# Altium PCB PCB_Project_Dangrangto.PcbDoc (part 1 of 2)
Units mm, origin at the board's own origin, x right, y up, seen from the top; angles counter-clockwise.
Board outline 121.2 x 86.2 mm, 2 copper layers (Top Layer, Bottom Layer); 180 components, 142 nets, 616 pads, 165 vias.
Unrouted connection lines stored in the file: 1.
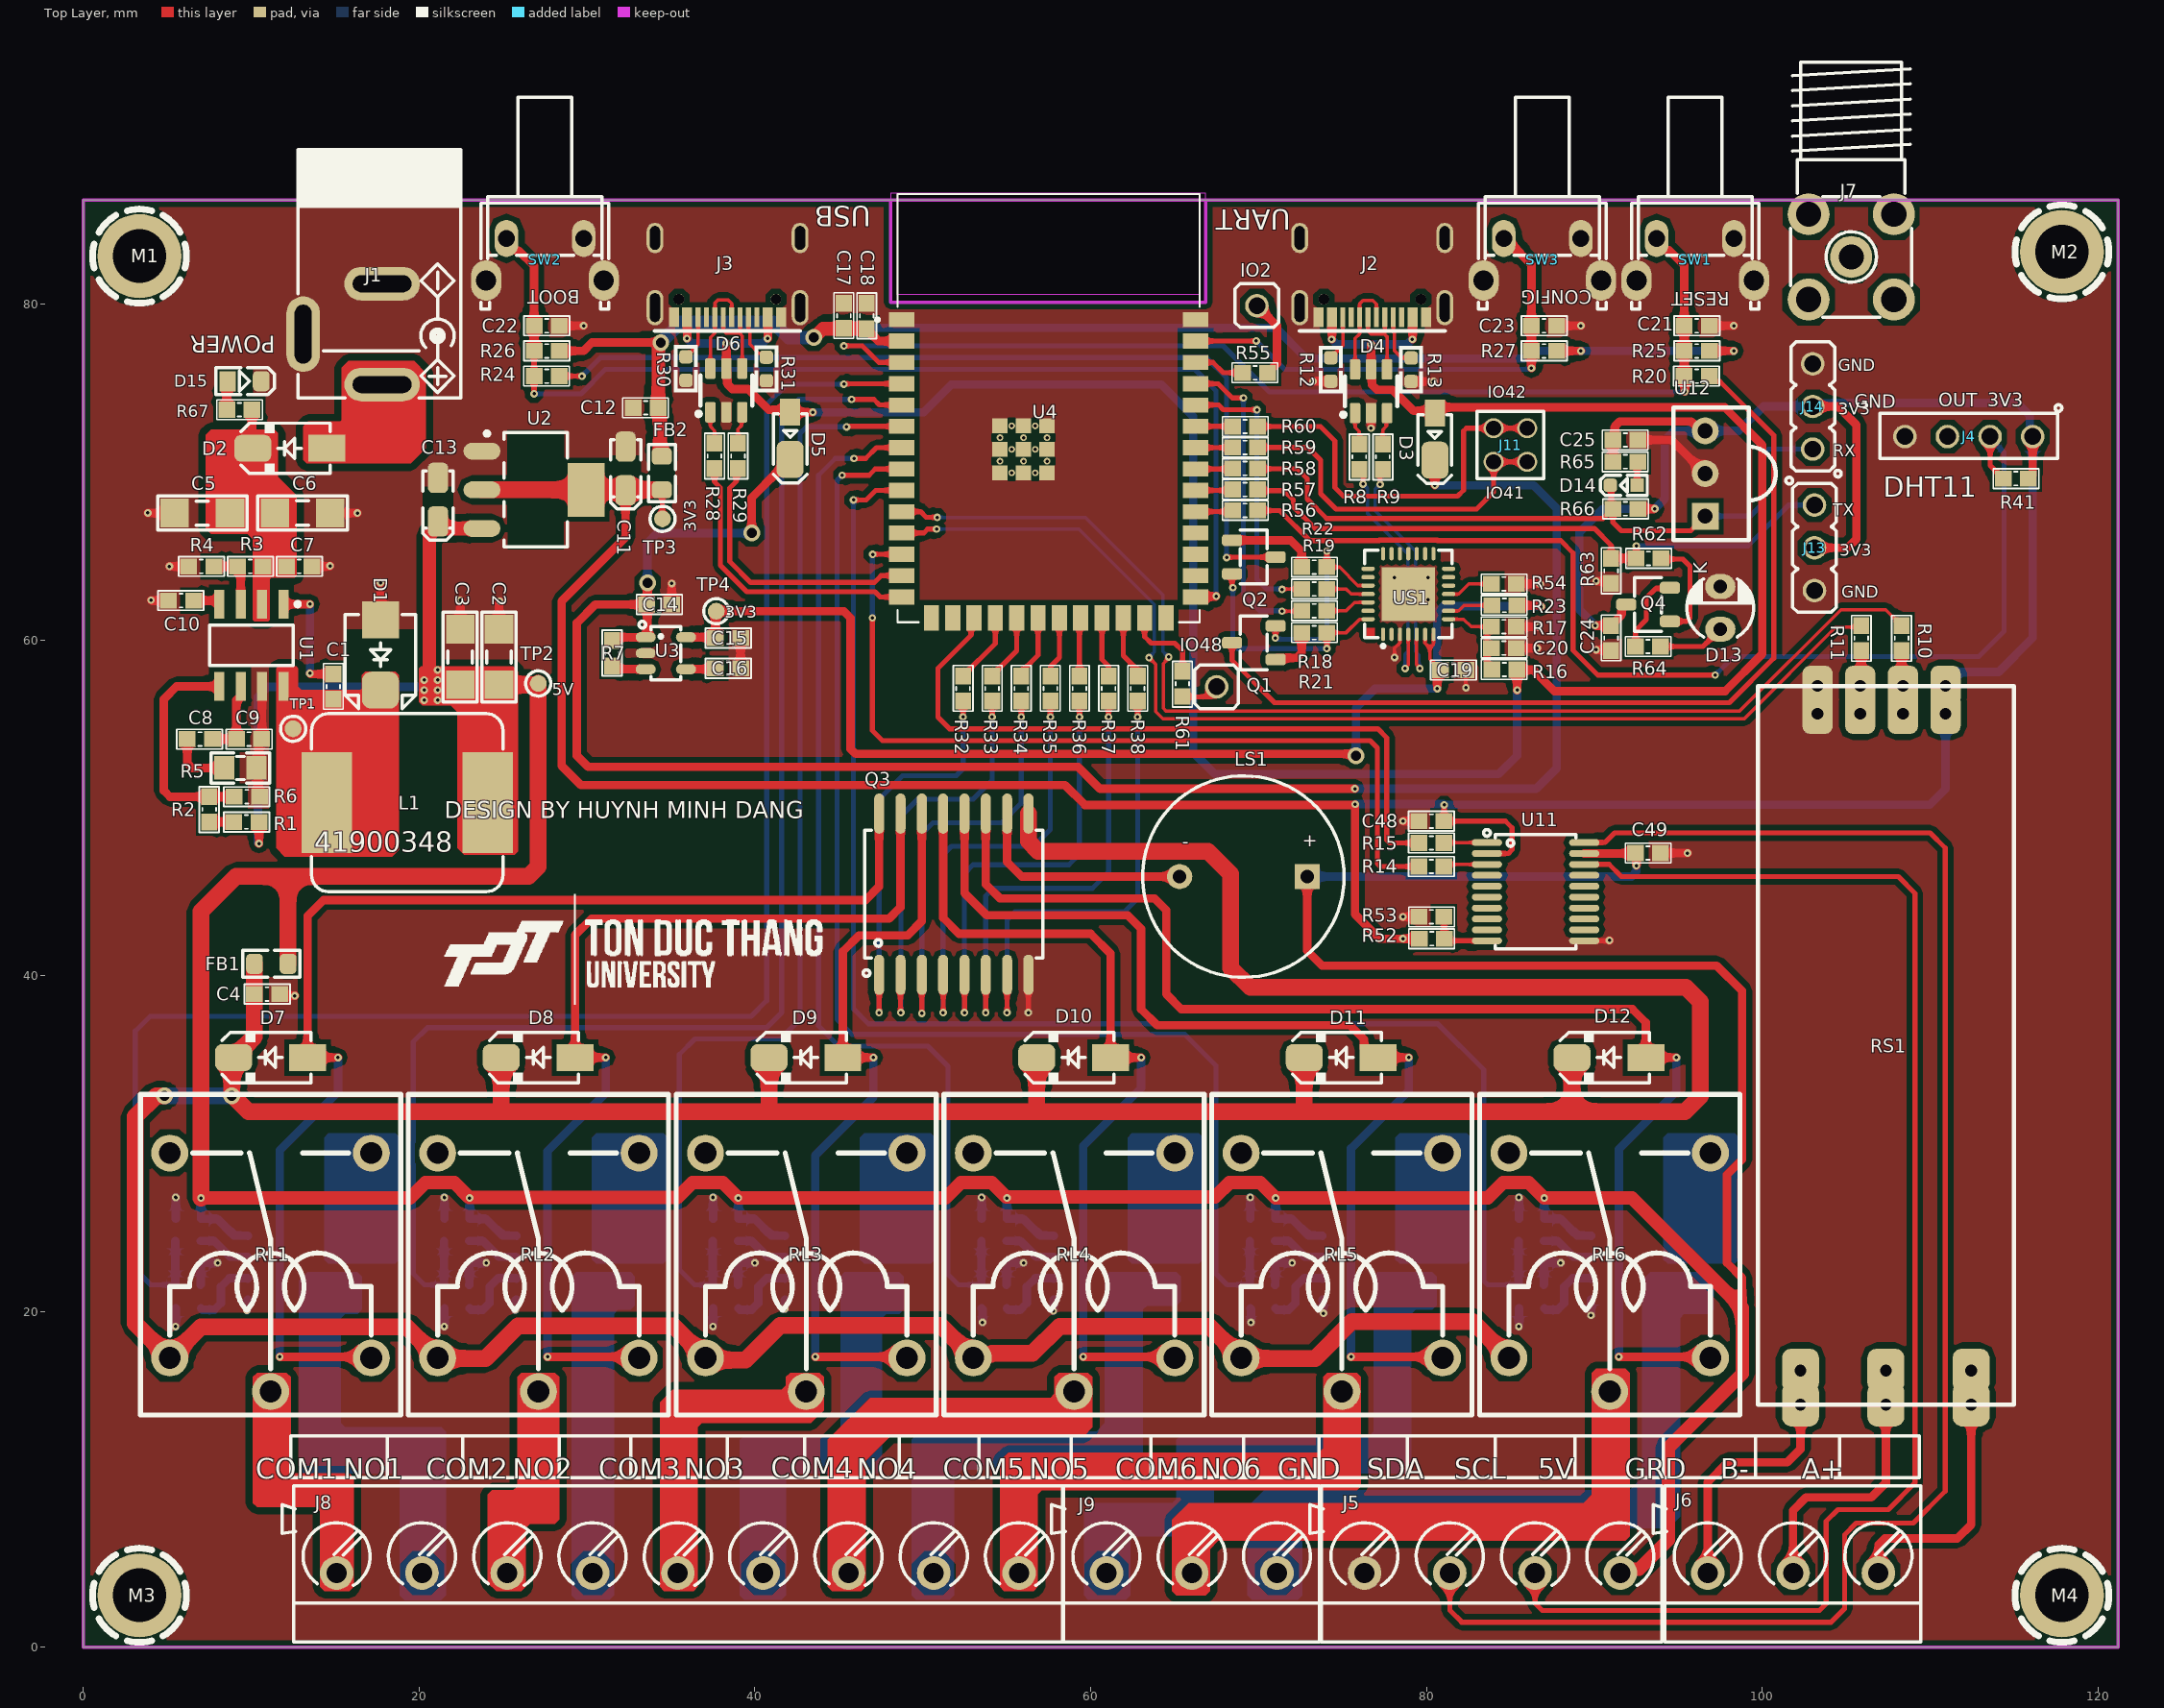
[diagram p0: Top Layer view]
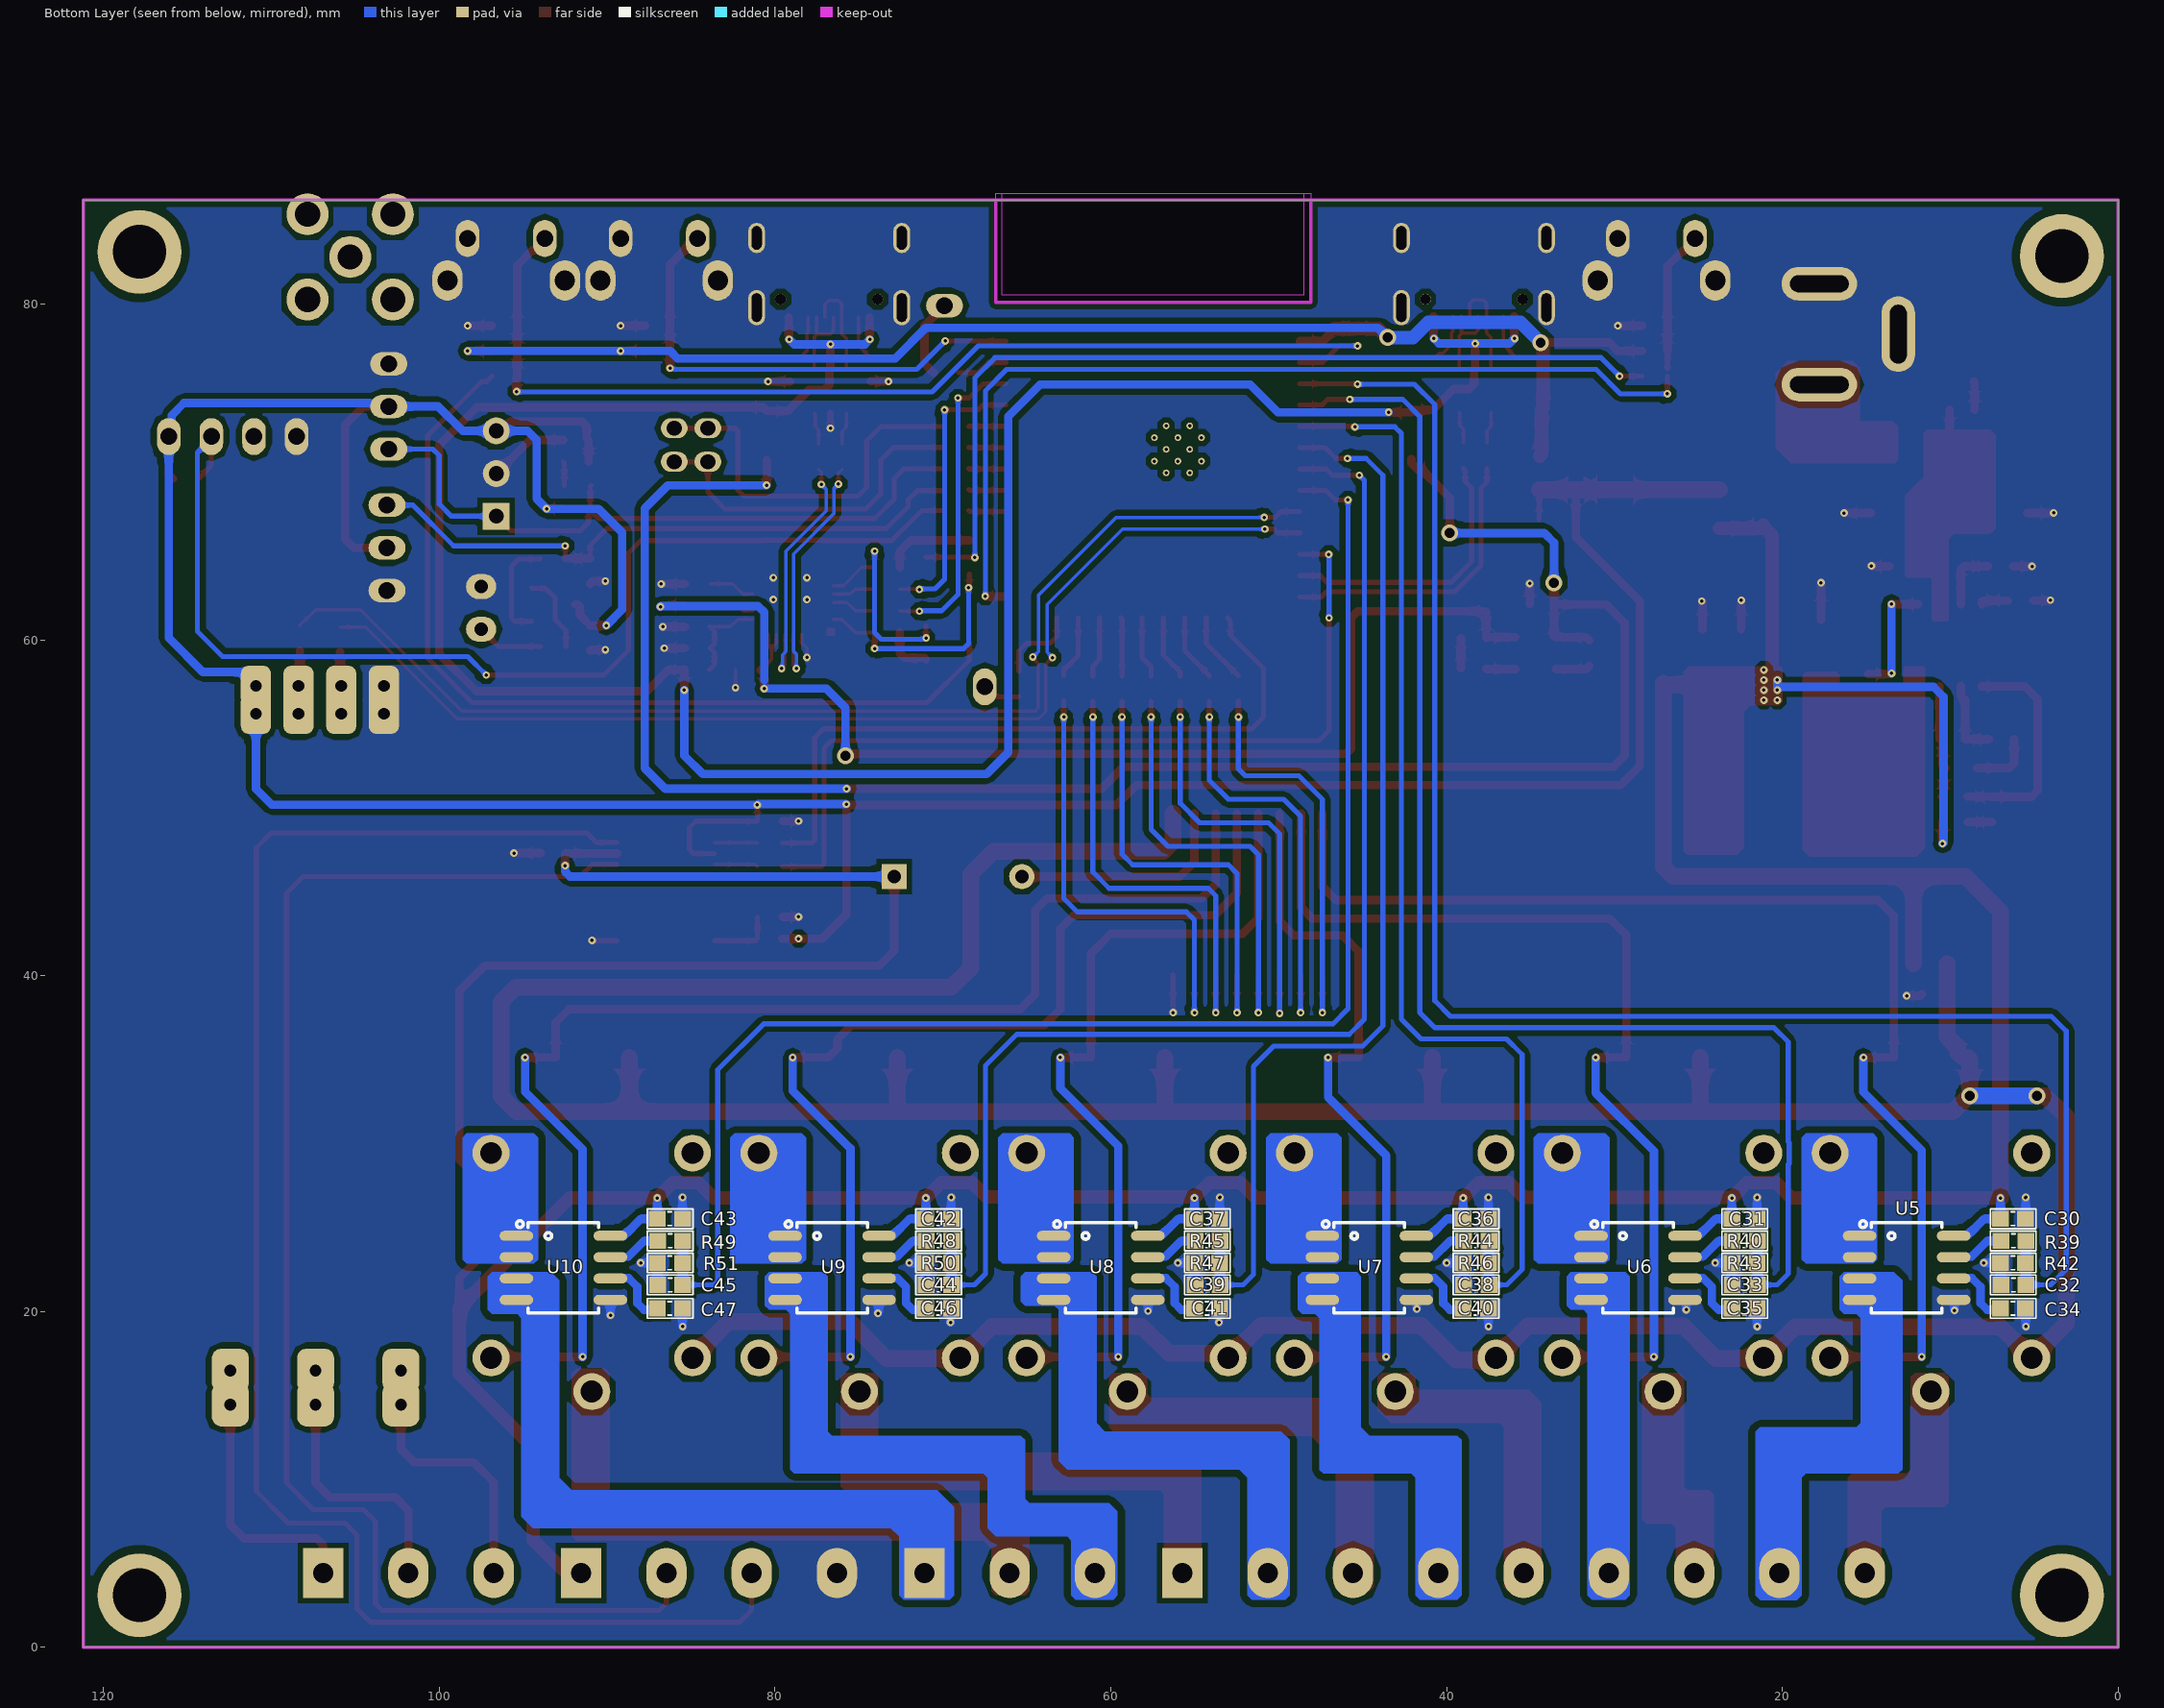
[diagram p1: Bottom Layer view, seen from below]

## Layer stack, top to bottom
Top Solder: solder mask 0.0102, Solder Resist, Dk 3.5
Top Layer: signal copper 0.0356
Dielectric 1: dielectric 0.32, FR-4, Dk 4.8
Bottom Layer: signal copper 0.0356
Bottom Solder: solder mask 0.0102, Solder Resist, Dk 3.5

## Board outline
0,0 0,86.2 121.2,86.2 121.2,0
cut-out: 48.1,86.6 48.1,80.1 66.85,80.1 66.85,86.6

## Design rules (kind name [scope] priority, off if disabled: settings)
Clearance [All] p1: gap=0.254 ignorepadtopadclearanceinfootprint=FALSE except(0: Arc-Hole Track-Hole SMDPad-Hole THPad-Hole Via-Hole Fill-Hole Poly-Hole Region-Hole Text-Hole; 0.3: Arc-Fill Arc-Poly Arc-Region Track-Fill Track-Poly Track-Region SMDPad-Fill SMDPad-Poly SMDPad-Region THPad-Fill THPad-Poly THPad-Region Via-Fill Via-Poly Via-Region; 0.4: Fill-Fill Fill-Poly Fill-Region Poly-Poly Poly-Region Region-Region)
PolygonConnect [All] p1: connectstyle=Direct reliefconductorwidth=0.254 reliefentries=4 polygonreliefangle="90 Angle" airgapwidth=0.254
RoutingVias [All] p1: holewidth=0.2 width=0.45 viastyle="Through Hole" minholewidth=0.2 minwidth=0.45 maxholewidth=0.6 maxwidth=1
SolderMaskExpansion [All] p1: expansion=0.102 istentingtop=FALSE
Width [All] p1: maxlimit=2.5 minlimit=0.2 preferedwidth=0.5
30 further rules are at their usual default settings.

## Classes and differential pairs
component class SENSOR: C24 C25 C30 C31 C32 C33 C34 C35 C36 C37 C38 C39 C40 C41 C42 C43 C44 C45 C46 C47 D13 D14 J4 J13 J14 Q4 R39 R40 R41 R42 R43 R44 R45 R46 R47 R48 R49 R50 R51 R62 R63 R64 R65 R66 U5 U6 U7 U8 U9 U10 U12
component class Protocol: C48 C49 J5 J6 J7 M1 M2 M3 M4 R52 R53 RS1 U11
component class Power: C1 C2 C3 C4 C5 C6 C7 C8 C9 C10 C11 C12 C13 C14 C15 C16 D1 D2 D15 FB1 FB2 J1 L1 R1 R2 R3 R4 R5 R6 R7 R67 TP1 TP2 TP3 TP4 U1 U2 U3
component class OUTPUT_RELAY: D7 D8 D9 D10 D11 D12 J8 J9 LS1 Q3 R32 R33 R34 R35 R36 R37 R38 RL1 RL2 RL3 RL4 RL5 RL6
component class MCU_ESP32_S3: C17 C18 C19 C20 C21 C22 C23 D3 D4 D5 D6 IO2 IO48 J2 J3 J11 Q1 Q2 R8 R9 R10 R11 R12 R13 R14 R15 R16 R17 R18 R19 R20 R21 R22 R23 R24 R25 R26 R27 R28 R29 R30 R31 R54 R55 R56 R57 R58 R59 R60 R61 SW1 SW2 SW3 U4 US1

## Components (designator, comment, footprint, x,y, rotation, side; value= is the part's Value field where it differs from the comment)
C1 "100nF_0603_1%" "tu 0603" 14.894,57.209 r90 top
C2 "47uF_1206_1%" "tu 1206" 24.765,58.976 r90 top
C3 "47uF_1206_1%" "tu 1206" 22.452,58.976 r90 top
C4 "100nF_0603_1%" "tu 0603" 10.945,38.903 r0 top
C5 "4.7uF_1206_1%" "tu 1206" 7.093,67.545 r180 top
C6 "4.7uF_1206_1%" "tu 1206" 13.062,67.545 r0 top
C7 "0.01uF_0603_1%" "tu 0603" 12.865,64.37 r0 top
C8 "1000pF_0603_1%" "tu 0603" 6.947,54.083 r180 top
C9 "47pF_0603_1%" "tu 0603" 9.868,54.083 r0 top
C10 "0.01uF_0603_1%" "tu 0603" 5.823,62.338 r180 top
C11 "10uF/6.3V" C_TN_3216 32.3,70.2 r90 top value=10uF
C12 "100nF_0603_1%" "tu 0603" 33.495,73.815 r180 top
C13 "10uF/10V" C_TN_3216 21.131,68.342 r90 top value=10uF
C14 "1uF_0603_1%" "tu 0603" 34.3,62.1 r0 top
C15 "1uF_0603_1%" "tu 0603" 38.4,60.1 r0 top
C16 "22nF_0603_1%" "tu 0603" 38.4,58.3 r0 top
C17 "100nF_0603_1%" "tu 0603" 45.3,79.3 r90 top
C18 "22uF_0603_1%" "tu 0603" 46.663,79.284 r90 top
C19 "10uF_0603_1%" "tu 0603" 81.6,58.2 r0 top
C20 "1uF_0603_1%" "tu 0603" 84.619,59.501 r0 top
C21 "100nF_0603_1%" "tu 0603" 96.1,78.7 r0 top
C22 "100nF_0603_1%" "tu 0603" 27.6,78.7 r0 top
C23 "100nF_0603_1%" "tu 0603" 87,78.7 r0 top
C24 "1uF_0603_1%" "tu 0603" 91,60.1 r90 top
C25 "100nF_0603_1%" "tu 0603" 91.85,71.9 r180 top
C30 "100nF_0603_1%" "tu 0603" 6.262,25.521 r180 bottom
C31 "100nF_0603_1%" "tu 0603" 22.262,25.521 r180 bottom
C32 "100nF_0603_1%" "tu 0603" 6.237,21.584 r0 bottom
C33 "100nF_0603_1%" "tu 0603" 22.237,21.584 r0 bottom
C34 "1nF_0603_1%" "tu 0603" 6.262,20.187 r180 bottom
C35 "1nF_0603_1%" "tu 0603" 22.262,20.187 r180 bottom
C36 "100nF_0603_1%" "tu 0603" 38.262,25.521 r180 bottom
C37 "100nF_0603_1%" "tu 0603" 54.262,25.521 r180 bottom
C38 "100nF_0603_1%" "tu 0603" 38.237,21.584 r0 bottom
C39 "100nF_0603_1%" "tu 0603" 54.237,21.584 r0 bottom
C40 "1nF_0603_1%" "tu 0603" 38.262,20.187 r180 bottom
C41 "1nF_0603_1%" "tu 0603" 54.262,20.187 r180 bottom
C42 "100nF_0603_1%" "tu 0603" 70.262,25.521 r180 bottom
C43 "100nF_0603_1%" "tu 0603" 86.262,25.521 r180 bottom
C44 "100nF_0603_1%" "tu 0603" 70.237,21.584 r0 bottom
C45 "100nF_0603_1%" "tu 0603" 86.237,21.584 r0 bottom
C46 "1nF_0603_1%" "tu 0603" 70.262,20.187 r180 bottom
C47 "1nF_0603_1%" "tu 0603" 86.262,20.187 r180 bottom
C48 "100nF_0603_1%" "tu 0603" 80.3,49.2 r180 top
C49 "100nF_0603_1%" "tu 0603" 93.2,47.3 r0 top
D1 "SS34_SMA" D_SMB 17.7,59.1 r270 top value=SS34
D2 "SS54_SMA" D_SMA 12.3,71.4 r180 top value=1N5824
D3 "1N5819_DO213" D_SOD123W 80.5,71.9 r270 top value=1N5819
D4 "TPUSBLC6-2SC6" SOT-23-6_L2.9-W1.6-P0.95-LS2.8-BR 76.7,74.8 r270 top
D5 "1N5819_DO213" D_SOD123W 42.1,71.95 r270 top value=1N5819
D6 "TPUSBLC6-2SC6" SOT-23-6_L2.9-W1.6-P0.95-LS2.8-BR 38.3,74.85 r270 top
D7 "1N4007" D_SMA 11.157,35.123 r180 top
D8 "1N4007" D_SMA 27.099,35.123 r180 top
D9 "1N4007" D_SMA 43.041,35.123 r180 top
D10 "1N4007" D_SMA 58.983,35.123 r180 top
D11 "1N4007" D_SMA 74.926,35.123 r180 top
D12 "1N4007" D_SMA 90.868,35.123 r180 top
D13 "TSAL6200" LED3MM 97.5,61.9 r90 top
D14 "LED603RED" LED0603RED 91.75,69.2 r180 top
D15 "LED805RED" LED0805RED 9.6,75.4 r0 top
FB1 "FB805" L0805 11.2,40.7 r180 top
FB2 "FB805" L0805 34.461,69.929 r90 top
IO2 "HDRM1" HDR_M_1 69.9,79.9 r90 top (schematic designator J10)
IO48 "HDRM1" HDR_M_1 67.5,57.2 r0 top (schematic designator J12)
J1 "DC_POWER_JACK" JAC_PWR2 17.8,75.2 r0 top
J2 "TYPE-C 16PIN 2MD(073)" USB-C-SMD_TYPE-C16PIN 76.798,81.542 r0 top
J3 "TYPE-C 16PIN 2MD(073)" USB-C-SMD_TYPE-C16PIN 38.398,81.542 r0 top
J4 "HDRF4" HDR_F_1X4 112.3,72.1 r180 top
J5 "CONN_TB4" TBB_4 83.928,4.426 r180 top
J6 "CONN_TB3" TBB_3 101.835,4.426 r180 top
J7 "SMA" SMA_RA 105.3,82.8 r0 top
J8 "CONN_TB9" TBB_9 35.414,4.426 r180 top
J9 "CONN_TB3" TBB_3 66.021,4.426 r180 top
J11 "HDR2M_2X2" HDR2_M_2X2 85,71.6 r90 top
J13 "HDRM3" HDR_M_1X3 103.106,65.476 r270 top
J14 "HDRM3" HDR_M_1X3 103.005,73.895 r90 top
L1 "6.8uH_CD104" L_10 19.3,50.3 r0 top value=6.8uH
LS1 "Buzzer" Buzzer 69.1,45.9 r180 top
M1 "DNP/MH" SCMH_M3FT 3.35,82.85 r0 top
M2 "DNP/MH" SCMH_M3FT 117.85,83.1 r0 top
M3 "DNP/MH" SCMH_M3FT 3.35,3.1 r0 top
M4 "DNP/MH" SCMH_M3FT 117.85,3.1 r0 top
Q1 "SS8050" SOT23_3 69.719,59.826 r180 top
Q2 "SS8050" SOT23_3 69.719,64.926 r0 top
Q3 "ULN2003_SOP16" SO_16_W 51.85,44.85 r90 top value=ULN2003
Q4 "S9013" SOT23_3 93.2,62.1 r180 top
R1 "0R_0603_1%" "tro smd 0603" 9.717,49.147 r0 top
R2 "6K8_0603_1%" "tro smd 0603" 7.5,49.9 r270 top
R3 "10K_0603_1%" "tro smd 0603" 9.944,64.37 r0 top
R4 "1K_0603_1%" "tro smd 0603" 7.023,64.37 r0 top
R5 "29.4K_0805_1%" "tro smd 0805" 9.36,52.305 r180 top
R6 "1K3_0603_1%" "tro smd 0603" 9.741,50.654 r180 top
R7 "10K_0603_1%" "tro smd 0603" 31.5,59.2 r90 top
R8 "0R_0603_1%" "tro smd 0603" 76,70.9 r270 top
R9 "0R_0603_1%" "tro smd 0603" 77.4,70.9 r270 top
R10 "0R_0603_1%" "tro smd 0603" 108.3,60.1 r270 top
R11 "0R_0603_1%" "tro smd 0603" 105.9,60.1 r270 top
R12 "5K1_0603_1%" R0603 74.3,76.1 r270 top value=5.1K
R13 "5K1_0603_1%" R0603 79.088,76.081 r270 top value=5.1K
R14 "0R_0603_1%" "tro smd 0603" 80.3,46.5 r180 top
R15 "0R_0603_1%" "tro smd 0603" 80.3,47.9 r180 top
R16 "22.1K_0603_1%" "tro smd 0603" 84.645,58.226 r180 top
R17 "47.5K_0603_1%" "tro smd 0603" 84.619,60.776 r0 top
R18 "0R_0603_1%" "tro smd 0603" 73.319,61.726 r0 top
R19 "0R_0603_1%" "tro smd 0603" 73.319,63.026 r0 top
R20 "0R_0603_1%" "tro smd 0603" 96.1,75.7 r180 top
R21 "10K_0603_1%" "tro smd 0603" 73.319,60.426 r0 top
R22 "10K_0603_1%" "tro smd 0603" 73.319,64.326 r0 top
R23 "1K_0603_1%" "tro smd 0603" 84.645,62.051 r180 top
R24 "0R_0603_1%" "tro smd 0603" 27.6,75.7 r180 top
R25 "1K_0603_1%" "tro smd 0603" 96.1,77.2 r0 top
R26 "1K_0603_1%" "tro smd 0603" 27.6,77.2 r0 top
R27 "1K_0603_1%" "tro smd 0603" 87,77.2 r0 top
R28 "0R_0603_1%" "tro smd 0603" 37.6,70.95 r270 top
R29 "0R_0603_1%" "tro smd 0603" 39,70.95 r270 top
R30 "5K1_0603_1%" R0603 35.9,76.15 r270 top value=5.1K
R31 "5K1_0603_1%" R0603 40.688,76.131 r270 top value=5.1K
R32 "0R_0603_1%" "tro smd 0603" 52.4,57.1 r90 top
R33 "0R_0603_1%" "tro smd 0603" 54.133,57.096 r90 top
R34 "0R_0603_1%" "tro smd 0603" 55.867,57.096 r90 top
R35 "0R_0603_1%" "tro smd 0603" 57.6,57.096 r90 top
R36 "0R_0603_1%" "tro smd 0603" 59.333,57.096 r90 top
R37 "0R_0603_1%" "tro smd 0603" 61.067,57.096 r90 top
R38 "0R_0603_1%" "tro smd 0603" 62.8,57.1 r90 top
R39 "1K_0603_1%" "tro smd 0603" 6.237,24.209 r0 bottom
R40 "1K_0603_1%" "tro smd 0603" 22.237,24.209 r0 bottom
R41 "1K_0603_1%" "tro smd 0603" 115.1,69.6 r0 top
R42 "2K_0603_1%" "tro smd 0603" 6.262,22.896 r180 bottom
R43 "2K_0603_1%" "tro smd 0603" 22.262,22.896 r180 bottom
R44 "1K_0603_1%" "tro smd 0603" 38.237,24.209 r0 bottom
R45 "1K_0603_1%" "tro smd 0603" 54.237,24.209 r0 bottom
R46 "2K_0603_1%" "tro smd 0603" 38.262,22.896 r180 bottom
R47 "2K_0603_1%" "tro smd 0603" 54.262,22.896 r180 bottom
R48 "1K_0603_1%" "tro smd 0603" 70.237,24.209 r0 bottom
R49 "1K_0603_1%" "tro smd 0603" 86.237,24.209 r0 bottom
R50 "2K_0603_1%" "tro smd 0603" 70.262,22.896 r180 bottom
R51 "2K_0603_1%" "tro smd 0603" 86.262,22.896 r180 bottom
R52 "1K_0603_1%" "tro smd 0603" 80.325,42.2 r180 top
R53 "1K_0603_1%" "tro smd 0603" 80.3,43.5 r0 top
R54 "10K_0603_1%" "tro smd 0603" 84.619,63.326 r0 top
R55 "0R_0603_1%" "tro smd 0603" 69.8,75.9 r180 top
R56 "0R_0603_1%" "tro smd 0603" 69.2,67.7 r0 top
R57 "0R_0603_1%" "tro smd 0603" 69.2,68.95 r0 top
R58 "0R_0603_1%" "tro smd 0603" 69.2,70.2 r0 top
R59 "0R_0603_1%" "tro smd 0603" 69.2,71.45 r0 top
R60 "0R_0603_1%" "tro smd 0603" 69.2,72.7 r0 top
R61 "0R_0603_1%" "tro smd 0603" 65.463,57.375 r270 top
R62 "1K_0603_1%" "tro smd 0603" 93.223,64.846 r0 top
R63 "22K_0603_1%" "tro smd 0603" 91,64.1 r90 top
R64 "11_0603_1%" "tro smd 0603" 93.2,59.6 r0 top
R65 "1K_0603_1%" "tro smd 0603" 91.85,70.6 r180 top
R66 "4K7_0603_1%" "tro smd 0603" 91.85,67.8 r0 top
R67 "10K_0603_1%" "tro smd 0603" 9.3,73.7 r0 top
RL1 "Relay 5V/10A" RL_10A_5V 11.157,22.333 r90 top value="Relay SPDT, 10A, 12V"
RL2 "Relay 5V/10A" RL_10A_5V 27.108,22.333 r90 top value="Relay SPDT, 10A, 12V"
RL3 "Relay 5V/10A" RL_10A_5V 43.059,22.333 r90 top value="Relay SPDT, 10A, 12V"
RL4 "Relay 5V/10A" RL_10A_5V 59.011,22.333 r90 top value="Relay SPDT, 10A, 12V"
RL5 "Relay 5V/10A" RL_10A_5V 74.962,22.333 r90 top value="Relay SPDT, 10A, 12V"
RL6 "Relay 5V/10A" RL_10A_5V 90.913,22.333 r90 top value="Relay SPDT, 10A, 12V"
RS1 "RS485_VISION2" "RS485 - Version2" 90.85,79.35 r270 top